# Altium PCB ISS_LAB_PCB.PcbDoc (part 8 of 8)
Units mm, origin at the board's own origin, x right, y up, seen from the top; angles counter-clockwise.
Board outline 247.67 x 135.97 mm, 2 copper layers (Top Layer, Bottom Layer); 165 components, 0 nets, 6045 pads, 3214 vias.
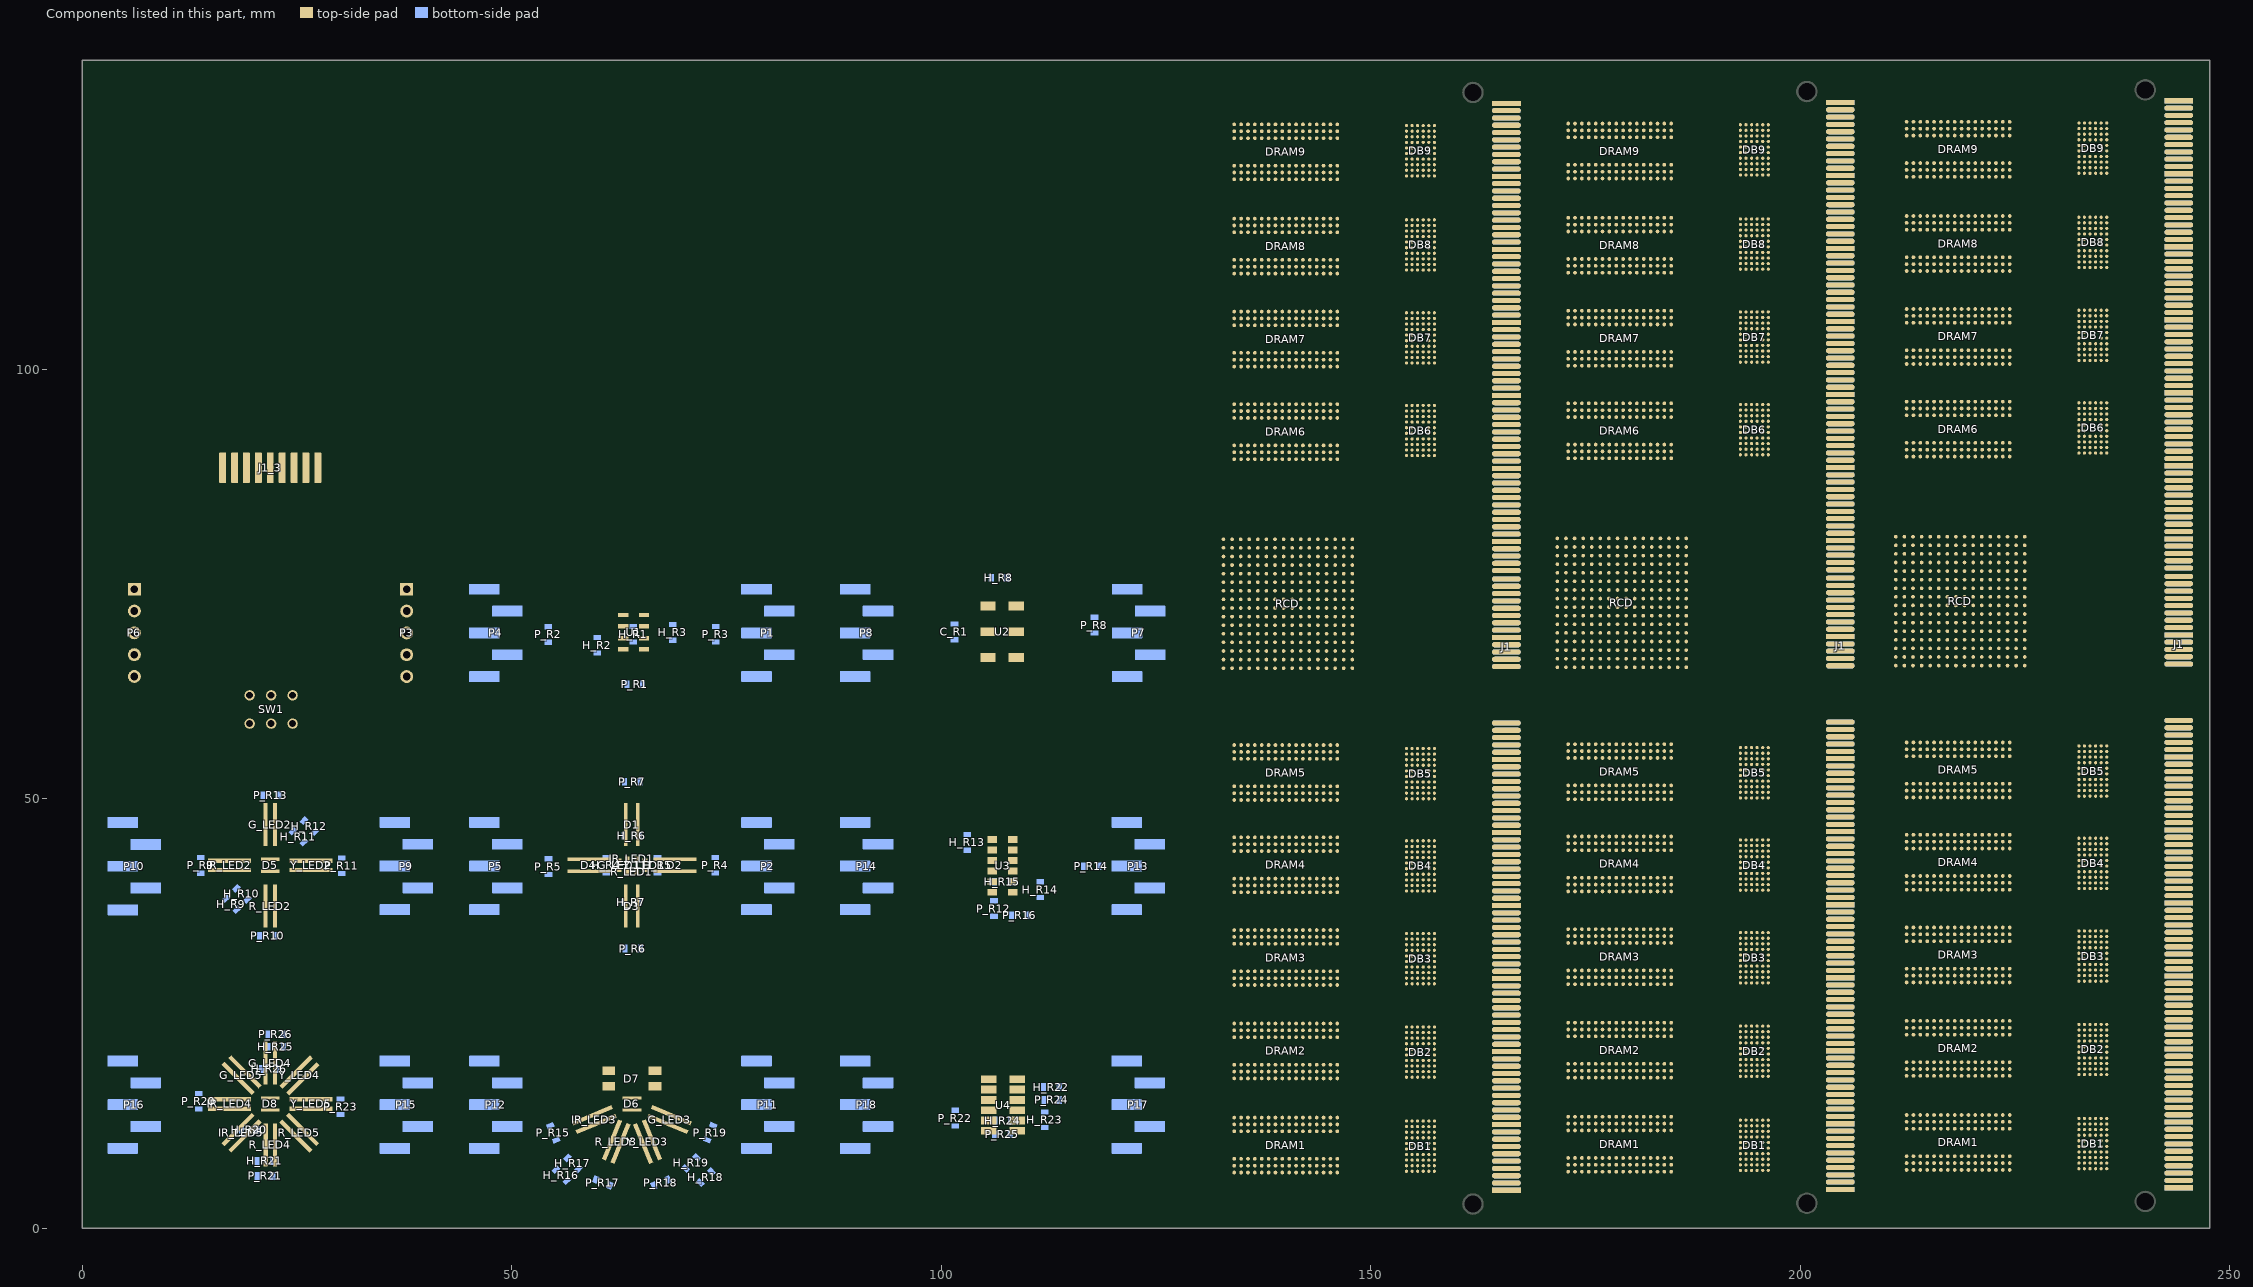
[diagram p8: the components of this part, seen from the top]

## Via types
v1: diameter 0.45, hole 0.203, Top Layer to Bottom Layer, 2685 vias
v2: diameter 1, hole 0.6, Top Layer to Bottom Layer, tented both sides, 414 vias
v3: diameter 0.6, hole 0.3, Top Layer to Bottom Layer, 52 vias
v4: diameter 0.6, hole 0.3, Top Layer to Bottom Layer, tented top, 33 vias
v5: diameter 0.8, hole 0.4, Top Layer to Bottom Layer, 21 vias
v6: diameter 3.5, hole 3.1, Top Layer to Bottom Layer, 3 vias
v7: diameter 2, hole 1.6, Top Layer to Bottom Layer, 3 vias
v8: diameter 1, hole 0.5, Top Layer to Bottom Layer, 3 vias

## Nets (pads, with @x,y where several pads share a name; then routed paths per layer and width w, separated by ;. In a path a pad name is that pad's centre, name@x,y a point inside that pad or via, vN(x,y) a via of type N, cw(c..) or ccw(c..) an arc to the next point about the centre after c; other vN are vias at no path point) (continued)
copper on no net: (continued)
  Bottom Layer w0.6: 4.725,9.29 5.725,9.29 6.06,9.625 6.06,11.495 6.395,11.83 7.395,11.83 ; 4.725,14.37 10.57,14.37 ; 4.725,37.05 7.14,37.05 7.895,37.805 7.895,39.255 7.56,39.59 7.395,39.59 ; 4.725,42.13 10.22,42.13 ; 5.725,9.39 6.725,9.39 7.06,9.725 7.06,11.595 7.395,11.93 8.395,11.93 ; 5.725,14.47 11.57,14.47 ; 5.725,37.15 8.14,37.15 8.895,37.905 8.895,39.355 8.56,39.69 8.395,39.69 ; 5.725,42.23 11.22,42.23 ; 13.55,15.664 11.864,15.664 10.57,14.37 ; 13.795,43.132 11.222,43.132 10.22,42.13 ; 14.55,15.764 12.864,15.764 11.57,14.47 ; 14.795,43.232 12.222,43.232 11.22,42.23 ; 20.373,6.075 16.3,6.075 10.57,11.805 10.57,14.37 ; 20.668,34.03 11.32,34.03 10.22,35.13 10.22,42.13 ; 21.373,6.175 17.3,6.175 11.57,11.905 11.57,14.47 ; 21.668,34.13 12.32,34.13 11.22,35.23 11.22,42.23 ; 22.177,7.825 22.177,6.337 22.289,6.225 22.289,6.075 ; 22.872,50.38 29.37,50.38 v3(32.4,47.35) ; 23.177,7.925 23.177,6.437 23.289,6.325 23.289,6.175 ; 23.452,22.575 30.3,22.575 33.175,19.7 v3(33.2,19.7) ; 23.872,50.48 30.37,50.48 33.4,47.45 ; 24.452,22.675 31.3,22.675 34.175,19.8 34.2,19.8 ; 30.075,13.211 32.136,13.211 v5(33.225,14.3) 33.295,14.37 36.395,14.37 ; 31.075,13.311 33.136,13.311 34.225,14.4 34.295,14.47 37.395,14.47 ; v3(32.425,41.3) 33.19,41.3 34.04,42.15 36.395,42.15 ; 33.425,41.4 34.19,41.4 35.04,42.25 37.395,42.25 ; 46.825,9.29 47.825,9.29 48.16,9.625 48.16,11.495 48.495,11.83 49.495,11.83 ; 46.825,37.07 47.825,37.07 48.16,37.405 48.16,39.275 48.495,39.61 49.495,39.61 ; 46.825,42.15 51.775,42.15 v5@52.625,43 ; 46.825,69.29 51.78,69.29 52.872,68.198 54.245,68.198 54.245,66.855 57.775,63.325 63.418,63.325 ; 47.825,9.39 48.825,9.39 49.16,9.725 49.16,11.595 49.495,11.93 50.495,11.93 ; 47.825,37.17 48.825,37.17 49.16,37.505 49.16,39.375 49.495,39.71 50.495,39.71 ; 47.825,42.25 52.775,42.25 53.625,43.1 ; 47.825,69.39 52.78,69.39 53.872,68.298 55.245,68.298 55.245,66.955 58.775,63.425 64.418,63.425 ; v5@52.675,43.002 54.275,43.002 ; 53.675,43.102 55.275,43.102 ; 59.945,68.752 59.945,70.325 61.245,71.625 69.945,71.625 71.645,69.925 71.645,68.925 72.334,68.236 73.745,68.236 ; 60.945,68.852 60.945,70.425 62.245,71.725 70.945,71.725 72.645,70.025 72.645,69.025 73.334,68.336 74.745,68.336 ; 64.927,51.95 71.65,51.95 75.275,48.325 v5(75.45,48.325) ; 65.002,32.55 65.277,32.275 v5(67.375,32.275) ; 65.927,52.05 72.65,52.05 76.275,48.425 76.45,48.425 ; 66.002,32.65 66.277,32.375 68.375,32.375 ; v3(73.575,40.45) 73.575,41.198 73.7,41.323 ; 73.745,70.052 74.918,70.052 75.618,69.352 78.433,69.352 78.495,69.29 ; 74.575,40.55 74.575,41.298 74.7,41.423 ; 74.745,70.152 75.918,70.152 76.618,69.452 79.433,69.452 79.495,69.39 ; v5(75.4,42.25) 78.395,42.25 78.495,42.15 ; 76.4,42.35 79.395,42.35 79.495,42.25 ; 89.975,9.29 90.975,9.29 91.31,9.625 91.31,11.495 91.645,11.83 92.645,11.83 ; 89.975,14.37 95.6,14.37 98.072,11.898 101.645,11.898 ; 89.975,37.07 90.975,37.07 91.31,37.405 91.31,39.275 91.645,39.61 92.645,39.61 ; 89.975,64.21 90.975,64.21 91.31,64.545 91.31,66.415 91.645,66.75 92.645,66.75 ; 90.975,9.39 91.975,9.39 92.31,9.725 92.31,11.595 92.645,11.93 93.645,11.93 ; 90.975,14.47 96.6,14.47 99.072,11.998 102.645,11.998 ; 90.975,37.17 91.975,37.17 92.31,37.505 92.31,39.375 92.645,39.71 93.645,39.71 ; 90.975,64.31 91.975,64.31 92.31,64.645 92.31,66.515 92.645,66.85 93.645,66.85 ; 103.045,43.998 103.145,43.998 103.145,43.225 104.245,42.125 116.556,42.125 ; 104.045,44.098 104.145,44.098 104.145,43.325 105.245,42.225 117.556,42.225 ; 113.772,14.925 116.945,14.925 117.5,14.37 121.61,14.37 ; 114.772,15.025 117.945,15.025 118.5,14.47 122.61,14.47 ; 117.845,69.298 117.995,69.298 118.003,69.29 121.61,69.29 ; 118.372,42.125 118.372,42.15 121.61,42.15 ; 118.845,69.398 118.995,69.398 119.003,69.39 122.61,69.39 ; 119.372,42.225 119.372,42.25 122.61,42.25
  Bottom Layer w0.8: 6.07,64.22 6.07,66.76 7.495,66.76 7.495,66.83 23.195,82.53 23.195,83.43 v8(23.295,83.53) ; 6.07,69.3 6.085,69.315 ; 7.07,64.32 7.07,66.86 8.495,66.86 8.495,66.93 24.195,82.63 24.195,83.53 24.295,83.63 ; 7.07,69.4 7.085,69.415 ; v8(20.495,76.73) 20.595,76.83 v8(26.395,76.83) ; 21.495,76.83 21.595,76.93 27.395,76.93 ; 46.825,64.21 49.061,64.21 49.53,64.679 49.53,66.715 49.495,66.75 ; 47.825,64.31 50.061,64.31 50.53,64.779 50.53,66.815 50.495,66.85
  other v1: 158.355,3.486 197.228,3.586 236.628,3.786 158.304,4.984 197.177,5.084 236.577,5.284 155.764,5.721 194.637,5.821 234.037,6.021 134.911,8.82 173.784,8.92 147.992,9.48 186.865,9.58 226.265,9.78 151.852,10.191 146.188,10.217 190.725,10.291 185.061,10.317 230.125,10.491 224.461,10.517 153.224,10.877 192.097,10.977 231.497,11.177 147.992,11.741 186.865,11.841 226.265,12.041 158.482,13.392 197.355,13.492 154.011,13.519 156.297,13.544 192.884,13.619 195.17,13.644 236.755,13.692 155.154,13.776 232.284,13.819 234.57,13.844 194.027,13.876 233.427,14.076 158.456,14.586 197.329,14.686 236.729,14.886 158.406,15.881 197.279,15.981 236.679,16.181 134.911,19.793 173.784,19.893 156.831,20.064 195.704,20.164 235.104,20.364 147.661,20.377 186.534,20.477 225.934,20.677 146.188,21.113 151.852,21.164 185.061,21.213 190.725,21.264 224.461,21.413 230.125,21.464 135.317,21.469 136.13,21.469 136.917,21.469 137.705,21.469 138.492,21.469 139.33,21.469 174.19,21.569 175.003,21.569 175.79,21.569 176.578,21.569 177.365,21.569 178.203,21.569 213.59,21.769 214.403,21.769 215.19,21.769 215.978,21.769 216.765,21.769 217.603,21.769 150.532,21.774 189.405,21.874 156.002,22.006 228.805,22.074 194.875,22.106 148.525,22.231 234.275,22.306 187.398,22.331 226.798,22.531 154.011,24.466 155.256,24.492 158.202,24.492 156.45,24.517 192.884,24.566 194.129,24.592 197.075,24.592 195.323,24.617 232.284,24.766 233.529,24.792 236.475,24.792 234.723,24.817 134.072,25.025 134.86,25.025 135.698,25.025 137.324,25.025 138.111,25.025 138.873,25.025 172.945,25.125 173.733,25.125 174.571,25.125 176.197,25.125 176.984,25.125 177.746,25.125 212.345,25.325 213.133,25.325 213.971,25.325 215.597,25.325 216.384,25.325 217.146,25.325 158.177,25.685 197.05,25.785 236.45,25.985 141.565,26.676 180.438,26.776 219.838,26.976 158.177,27.057 197.05,27.157 236.45,27.357 134.911,30.74 173.784,30.84 147.661,31.223 186.534,31.323 225.934,31.523 155.383,31.799 194.256,31.899 146.214,32.035 151.776,32.035 233.656,32.099 185.087,32.135 190.649,32.135 135.292,32.239 136.079,32.239 136.943,32.239 137.73,32.239 138.517,32.239 139.33,32.239 224.487,32.335 230.049,32.335 174.165,32.339 174.952,32.339 175.816,32.339 176.603,32.339 177.39,32.339 178.203,32.339 213.565,32.539 214.352,32.539 215.216,32.539 216.003,32.539 216.79,32.539 217.603,32.539 150.303,32.696 189.176,32.796 228.576,32.996 148.398,33.204 187.271,33.304 226.671,33.504 154.113,35.287 155.281,35.312 156.45,35.312 158.228,35.312 192.986,35.387 194.154,35.412 195.323,35.412 197.101,35.412 232.386,35.587 233.554,35.612 234.723,35.612 236.501,35.612 134.098,35.972 137.324,35.972 138.086,35.972 138.898,35.972 172.971,36.072 176.197,36.072 176.959,36.072 177.771,36.072 212.371,36.272 215.597,36.272 216.359,36.272 217.171,36.272 158.202,36.506 197.075,36.606 236.475,36.806 141.692,37.7 180.565,37.8 135.317,37.954 136.104,37.954 136.917,37.954 137.705,37.954 138.543,37.954 139.33,37.954 219.965,38 158.177,38.004 174.19,38.054 174.977,38.054 175.79,38.054 176.578,38.054 177.416,38.054 178.203,38.054 197.05,38.104 213.59,38.254 214.377,38.254 215.19,38.254 215.978,38.254 216.816,38.254 217.603,38.254 236.45,38.304 200.733,41.051 136.511,41.408 137.298,41.408 138.111,41.408 138.898,41.408 175.384,41.508 176.171,41.508 176.984,41.508 177.771,41.508 214.784,41.708 215.571,41.708 216.384,41.708 217.171,41.708 147.661,42.145 161.2,42.145 186.534,42.245 200.073,42.245 225.934,42.445 239.473,42.445 155.434,42.594 194.307,42.694 146.29,42.83 151.624,42.83 233.707,42.894 185.163,42.93 190.497,42.93 156.018,43.127 224.563,43.13 229.897,43.13 135.317,43.161 136.13,43.161 136.943,43.161 137.705,43.161 138.543,43.161 139.305,43.161 194.891,43.227 174.19,43.261 175.003,43.261 175.816,43.261 176.578,43.261 177.416,43.261 178.178,43.261 234.291,43.427 150.303,43.44 213.59,43.461 214.403,43.461 215.216,43.461 215.978,43.461 216.816,43.461 217.578,43.461 189.176,43.54 228.576,43.74 155.205,46.056 155.764,46.056 156.323,46.056 194.078,46.156 194.637,46.156 195.196,46.156 158.05,46.31 154.057,46.344 233.478,46.356 234.037,46.356 234.596,46.356 196.923,46.41 192.93,46.444 236.323,46.61 232.33,46.644 137.298,46.793 138.187,46.793 138.975,46.793 176.171,46.893 177.06,46.893 177.848,46.893 158.05,46.945 196.923,47.045 215.571,47.093 216.46,47.093 217.248,47.093 236.323,47.245 158.05,47.529 196.923,47.629 236.323,47.829 141.438,48.215 180.311,48.315 219.711,48.515 134.53,48.596 136.13,48.596 136.917,48.596 137.73,48.596 138.543,48.596 158.05,48.672 173.403,48.696 175.003,48.696 175.79,48.696 176.603,48.696 177.416,48.696 196.923,48.772 212.803,48.896 214.403,48.896 215.19,48.896 216.003,48.896 216.816,48.896 236.323,48.972 134.885,52.152 138.111,52.152 173.758,52.252 176.984,52.252 213.158,52.452 216.384,52.452 155.377,52.713 194.25,52.813 147.661,52.838 162.368,52.863 186.534,52.938 201.241,52.963 233.65,53.013 225.934,53.138 240.641,53.163 155.586,53.321 194.459,53.421 146.239,53.524 151.802,53.6 233.859,53.621 185.112,53.624 190.675,53.7 224.512,53.824 230.075,53.9 135.292,54.006 136.104,54.006 136.892,54.006 137.705,54.006 138.517,54.006 174.165,54.106 174.977,54.106 175.765,54.106 176.578,54.106 177.39,54.106 150.633,54.21 213.565,54.306 214.377,54.306 215.165,54.306 215.978,54.306 216.79,54.306 189.506,54.31 228.906,54.51 148.347,54.667 187.22,54.767 226.62,54.967 201.317,55.503 154.164,56.851 155.281,56.851 193.037,56.951 194.154,56.951 154.723,57.108 232.437,57.151 233.554,57.151 193.596,57.208 232.996,57.408 135.723,57.486 138.136,57.486 174.596,57.586 177.009,57.586 213.996,57.786 216.409,57.786 158.914,58.57 197.787,58.67 237.187,58.87 158.228,85.596 197.101,85.696 236.501,85.896 158.228,86.391 197.101,86.491 236.501,86.691 158.228,87.026 197.101,87.126 236.501,87.326 158.228,88.5 197.101,88.6 236.501,88.8 147.738,92.437 186.611,92.537 226.011,92.737 146.239,93.249 185.112,93.349 151.954,93.478 224.512,93.549 190.827,93.578 135.342,93.63 136.104,93.63 136.892,93.63 137.705,93.63 138.517,93.63 139.305,93.63 174.215,93.73 174.977,93.73 175.765,93.73 176.578,93.73 177.39,93.73 178.178,93.73 230.227,93.778 213.615,93.93 214.377,93.93 215.165,93.93 215.978,93.93 216.79,93.93 217.578,93.93 151.395,94.138 190.268,94.238 229.668,94.438 147.865,94.672 186.738,94.772 226.138,94.972 154.342,96.882 154.926,96.882 155.51,96.882 156.704,96.882 157.313,96.882 158.456,96.882 193.215,96.982 193.799,96.982 194.383,96.982 195.577,96.982 196.186,96.982 197.329,96.982 134.123,97.161 134.885,97.161 135.698,97.161 136.485,97.161 137.324,97.161 138.924,97.161 232.615,97.182 233.199,97.182 233.783,97.182 234.977,97.182 235.586,97.182 236.729,97.182 172.996,97.261 173.758,97.261 174.571,97.261 175.358,97.261 176.197,97.261 177.797,97.261 212.396,97.461 213.158,97.461 213.971,97.461 214.758,97.461 215.597,97.461 217.197,97.461 158.406,98.075 197.279,98.175 236.679,98.375 158.406,99.244 197.279,99.344 236.679,99.544 136.511,102.647 137.273,102.647 138.086,102.647 138.924,102.647 175.384,102.747 176.146,102.747 176.959,102.747 177.797,102.747 214.784,102.947 215.546,102.947 216.359,102.947 217.197,102.947 147.687,103.257 186.56,103.357 225.96,103.557 146.264,103.892 185.137,103.992 155.586,104.07 194.459,104.17 224.537,104.192 151.903,104.273 233.859,104.37 190.776,104.373 135.317,104.425 136.13,104.425 136.943,104.425 137.73,104.425 138.492,104.425 139.33,104.425 174.19,104.525 175.003,104.525 175.816,104.525 176.603,104.525 177.365,104.525 178.203,104.525 230.176,104.573 142.48,104.603 181.353,104.703 213.59,104.725 214.403,104.725 215.216,104.725 216.003,104.725 216.765,104.725 217.603,104.725 220.753,104.903 151.319,104.933 190.192,105.033 229.592,105.233 147.915,105.365 186.788,105.465 226.188,105.665 154.291,107.55 155.434,107.55 156.577,107.55 193.164,107.65 194.307,107.65 195.45,107.65 232.564,107.85 233.707,107.85 234.85,107.85 136.511,107.88 138.111,107.88 175.384,107.98 176.984,107.98 214.784,108.18 216.384,108.18 158.38,108.718 197.253,108.818 236.653,109.018 135.292,109.861 136.104,109.861 136.943,109.861 137.73,109.861 138.492,109.861 139.33,109.861 174.165,109.961 174.977,109.961 175.816,109.961 176.603,109.961 177.365,109.961 178.203,109.961 158.329,110.013 197.202,110.113 213.565,110.161 214.377,110.161 215.216,110.161 216.003,110.161 216.765,110.161 217.603,110.161 236.602,110.313 141.972,113.29 180.845,113.39 220.245,113.59 147.738,114.052 156.196,114.052 186.611,114.152 195.069,114.152 226.011,114.352 234.469,114.352 146.29,114.712 155.51,114.831 185.163,114.812 194.383,114.931 224.563,115.012 151.421,115.093 233.783,115.131 135.342,115.17 136.181,115.17 136.968,115.17 137.755,115.17 138.517,115.17 139.33,115.17 190.294,115.193 174.215,115.27 175.054,115.27 175.841,115.27 176.628,115.27 177.39,115.27 178.203,115.27 229.694,115.393 213.615,115.47 214.454,115.47 215.241,115.47 216.028,115.47 216.79,115.47 217.603,115.47 150.938,115.779 189.811,115.879 229.211,116.079 147.839,116.363 186.712,116.463 226.112,116.663 153.732,118.573 154.316,118.573 154.875,118.573 155.434,118.573 155.993,118.573 156.577,118.573 157.136,118.573 158.329,118.599 192.605,118.673 193.189,118.673 193.748,118.673 194.307,118.673 194.866,118.673 195.45,118.673 196.009,118.673 197.202,118.699 134.149,118.726 135.698,118.726 136.511,118.726 137.273,118.726 138.111,118.726 173.022,118.826 174.571,118.826 175.384,118.826 176.146,118.826 176.984,118.826 232.005,118.873 232.589,118.873 233.148,118.873 233.707,118.873 234.266,118.873 234.85,118.873 235.409,118.873 236.602,118.899 212.422,119.026 213.971,119.026 214.784,119.026 215.546,119.026 216.384,119.026 158.329,119.767 197.202,119.867 236.602,120.067 135.292,120.808 136.13,120.808 136.943,120.808 137.73,120.808 138.517,120.808 139.33,120.808 174.165,120.908 175.003,120.908 175.816,120.908 176.603,120.908 177.39,120.908 178.203,120.908 158.304,120.986 197.177,121.086 213.565,121.108 214.403,121.108 215.216,121.108 216.003,121.108 216.79,121.108 217.603,121.108 236.577,121.286 134.911,124.466 136.511,124.466 173.784,124.566 175.384,124.566 213.184,124.766 214.784,124.766 147.763,124.847 186.636,124.947 226.036,125.147 155.281,125.406 194.154,125.506 233.554,125.706 146.239,125.711 185.112,125.811 155.586,125.863 194.459,125.963 224.512,126.011 152.056,126.092 233.859,126.163 190.929,126.192 136.104,126.269 136.917,126.269 137.73,126.269 138.543,126.269 139.356,126.269 174.977,126.369 175.79,126.369 176.603,126.369 177.416,126.369 178.229,126.369 230.329,126.392 214.377,126.569 215.19,126.569 216.003,126.569 216.816,126.569 217.629,126.569 151.09,126.752 189.963,126.852 229.363,127.052 148.017,127.336 186.89,127.436 226.29,127.636 133.412,127.692 172.285,127.792 211.685,127.992 154.57,129.343 155.739,129.343 156.323,129.343 156.907,129.343 193.443,129.443 194.612,129.443 195.196,129.443 195.78,129.443 232.843,129.643 234.012,129.643 234.596,129.643 235.18,129.643 134.911,129.698 135.698,129.698 136.536,129.698 137.324,129.698 138.136,129.698 138.898,129.698 173.784,129.798 174.571,129.798 175.409,129.798 176.197,129.798 177.009,129.798 177.771,129.798 213.184,129.998 213.971,129.998 214.809,129.998 215.597,129.998 216.409,129.998 217.171,129.998
  other v2: 4.88,4.873 7.42,4.873 9.96,4.873 12.5,4.873 15.04,4.873 17.58,4.873 25.2,4.873 27.74,4.873 48.06,4.873 50.6,4.873 53.14,4.873 73.46,4.873 76,4.873 78.54,4.873 91.24,4.873 93.78,4.873 96.32,4.873 98.86,4.873 101.4,4.873 103.94,4.873 106.48,4.873 109.02,4.873 111.56,4.873 114.1,4.873 116.64,4.873 119.18,4.873 121.72,4.873 124.26,4.873 6.15,7.413 8.69,7.413 11.23,7.413 18.85,7.413 26.47,7.413 49.33,7.413 51.87,7.413 64.57,7.413 77.27,7.413 82.35,7.413 92.51,7.413 95.05,7.413 97.59,7.413 100.13,7.413 102.67,7.413 105.21,7.413 107.75,7.413 110.29,7.413 112.83,7.413 115.37,7.413 117.91,7.413 120.45,7.413 122.99,7.413 125.53,7.413 7.42,9.953 9.96,9.953 15.04,9.953 30.28,9.953 32.82,9.953 50.6,9.953 93.78,9.953 96.32,9.953 98.86,9.953 101.4,9.953 103.94,9.953 114.1,9.953 116.64,9.953 124.26,9.953 13.77,12.493 34.09,12.493 77.27,12.493 120.45,12.493 55.68,15.033 58.22,15.033 60.76,15.033 68.38,15.033 70.92,15.033 81.08,15.033 124.26,15.033 69.65,17.573 72.19,17.573 100.13,17.573 7.42,20.113 9.96,20.113 12.5,20.113 15.04,20.113 30.28,20.113 55.68,20.113 58.22,20.113 60.76,20.113 63.3,20.113 65.84,20.113 68.38,20.113 70.92,20.113 73.46,20.113 81.08,20.113 93.78,20.113 96.32,20.113 98.86,20.113 101.4,20.113 103.94,20.113 106.48,20.113 109.02,20.113 111.56,20.113 114.1,20.113 116.64,20.113 124.26,20.113 6.15,22.653 8.69,22.653 11.23,22.653 13.77,22.653 16.31,22.653 18.85,22.653 34.09,22.653 36.63,22.653 39.17,22.653 49.33,22.653 51.87,22.653 54.41,22.653 56.95,22.653 59.49,22.653 62.03,22.653 64.57,22.653 67.11,22.653 69.65,22.653 72.19,22.653 74.73,22.653 77.27,22.653 79.81,22.653 82.35,22.653 92.51,22.653 95.05,22.653 97.59,22.653 100.13,22.653 102.67,22.653 105.21,22.653 107.75,22.653 110.29,22.653 112.83,22.653 115.37,22.653 117.91,22.653 120.45,22.653 122.99,22.653 125.53,22.653 4.88,32.813 7.42,32.813 9.96,32.813 12.5,32.813 15.04,32.813 17.58,32.813 20.12,32.813 22.66,32.813 25.2,32.813 27.74,32.813 30.28,32.813 32.82,32.813 35.36,32.813 37.9,32.813 48.06,32.813 50.6,32.813 53.14,32.813 55.68,32.813 58.22,32.813 70.92,32.813 73.46,32.813 76,32.813 78.54,32.813 81.08,32.813 91.24,32.813 93.78,32.813 96.32,32.813 98.86,32.813 101.4,32.813 103.94,32.813 106.48,32.813 109.02,32.813 111.56,32.813 114.1,32.813 116.64,32.813 119.18,32.813 121.72,32.813 124.26,32.813 6.15,35.353 8.69,35.353 13.77,35.353 16.31,35.353 18.85,35.353 23.93,35.353 26.47,35.353 29.01,35.353 31.55,35.353 34.09,35.353 36.63,35.353 39.17,35.353 49.33,35.353 51.87,35.353 54.41,35.353 59.49,35.353 62.03,35.353 74.73,35.353 77.27,35.353 79.81,35.353 82.35,35.353 92.51,35.353 95.05,35.353 97.59,35.353 100.13,35.353 102.67,35.353 115.37,35.353 117.91,35.353 120.45,35.353 122.99,35.353 125.53,35.353 12.5,37.893 15.04,37.893 50.6,37.893 53.14,37.893 58.22,37.893 81.08,37.893 93.78,37.893 96.32,37.893 98.86,37.893 101.4,37.893 124.26,37.893 18.85,40.433 29.01,40.433 34.09,40.433 56.95,40.433 77.27,40.433 97.59,40.433 115.37,40.433 117.91,40.433 120.45,40.433 81.08,42.973 101.4,42.973 124.26,42.973 11.23,45.513 13.77,45.513 16.31,45.513 56.95,45.513 97.59,45.513 100.13,45.513 115.37,45.513 117.91,45.513 120.45,45.513 20.12,48.053 27.74,48.053 55.68,48.053 70.92,48.053 73.46,48.053 81.08,48.053 6.15,50.593 8.69,50.593 11.23,50.593 13.77,50.593 16.31,50.593 18.85,50.593 31.55,50.593 34.09,50.593 36.63,50.593 39.17,50.593 49.33,50.593 51.87,50.593 54.41,50.593 56.95,50.593 67.11,50.593 69.65,50.593 74.73,50.593 77.27,50.593 79.81,50.593 82.35,50.593 92.51,50.593 95.05,50.593 97.59,50.593 100.13,50.593 102.67,50.593 105.21,50.593 107.75,50.593 110.29,50.593 112.83,50.593 125.53,50.593 48.06,58.213 50.6,58.213 53.14,58.213 55.68,58.213 58.22,58.213 60.76,58.213 63.3,58.213 65.84,58.213 68.38,58.213 70.92,58.213 73.46,58.213 76,58.213 78.54,58.213 81.08,58.213 91.24,58.213 93.78,58.213 96.32,58.213 98.86,58.213 101.4,58.213 103.94,58.213 106.48,58.213 109.02,58.213 111.56,58.213 114.1,58.213 116.64,58.213 119.18,58.213 121.72,58.213 124.26,58.213 49.33,60.753 51.87,60.753 54.41,60.753 56.95,60.753 59.49,60.753 62.03,60.753 64.57,60.753 67.11,60.753 69.65,60.753 72.19,60.753 74.73,60.753 82.35,60.753 92.51,60.753 95.05,60.753 97.59,60.753 100.13,60.753 107.75,60.753 110.29,60.753 112.83,60.753 115.37,60.753 117.91,60.753 120.45,60.753 122.99,60.753 125.53,60.753 50.6,63.293 53.14,63.293 55.68,63.293 68.38,63.293 70.92,63.293 93.78,63.293 96.32,63.293 98.86,63.293 111.56,63.293 114.1,63.293 116.64,63.293 119.18,63.293 124.26,63.293 56.95,65.833 62.03,65.833 74.73,65.833 77.27,65.833 115.37,65.833 117.91,65.833 120.45,65.833 55.68,68.373 81.08,68.373 93.78,68.373 98.86,68.373 114.1,68.373 116.64,68.373 124.26,68.373 72.19,70.913 77.27,70.913 97.59,70.913 100.13,70.913 105.21,70.913 107.75,70.913 112.83,70.913 115.37,70.913 120.45,70.913 81.08,73.453 98.86,73.453 101.4,73.453 114.1,73.453 119.18,73.453 49.33,75.993 56.95,75.993 59.49,75.993 62.03,75.993 64.57,75.993 67.11,75.993 69.65,75.993 72.19,75.993 74.73,75.993 77.27,75.993 79.81,75.993 82.35,75.993 92.51,75.993 97.59,75.993 100.13,75.993 102.67,75.993 115.37,75.993 117.91,75.993 120.45,75.993 48.06,78.533 50.6,78.533 53.14,78.533 55.68,78.533 58.22,78.533 60.76,78.533 63.3,78.533 65.84,78.533 68.38,78.533 70.92,78.533 73.46,78.533 76,78.533 78.54,78.533 81.08,78.533 91.24,78.533 93.78,78.533 96.32,78.533 98.86,78.533 101.4,78.533 103.94,78.533 106.48,78.533 109.02,78.533 124.26,78.533
  other v3: 17.42,40.555
  other v4: 110.645,12.525
  other v6: 9.395,87.968 34.385,87.968 34.385,87.968
  other v7: 13.94,87.968 29.84,87.968 29.84,87.968

## Polygon pours and split planes (outlines as drawn)
no net on Bottom Layer "Bottom Layer-GND" (solid, pour order 16): 39.295,91.18 39.295,57.545 4.52,57.545 4.52,91.18
no net on Bottom Layer "Bottom Layer-GND_C" (solid, pour order 14): 44.67,29.905 44.67,54.605 83.445,54.605 83.445,29.905
no net on Bottom Layer "Bottom Layer-GND_H" (solid, pour order 12): 87.82,2.125 87.82,26.825 126.595,26.825 126.595,2.125
no net on Bottom Layer "Bottom Layer-GND_G" (solid, pour order 10): 87.82,29.905 87.82,54.605 126.595,54.605 126.595,29.905
no net on Bottom Layer "Bottom Layer-GND_F" (solid, pour order 8): 87.82,57.045 87.82,81.745 126.595,81.745 126.595,57.045
no net on Bottom Layer "Bottom Layer-GND_E" (solid, pour order 6): 44.67,57.045 44.67,81.745 83.445,81.745 83.445,57.045
no net on Bottom Layer "Bottom Layer-GND_B" (solid, pour order 4): 2.57,2.125 2.57,26.825 41.345,26.825 41.345,2.125
no net on Bottom Layer "Bottom Layer-GND_A" (solid, pour order 2): 2.57,29.905 2.57,54.605 41.345,54.605 41.345,29.905
no net on Bottom Layer "Bottom Layer-GND_D" (solid, pour order 0): 44.67,2.125 44.67,26.825 83.445,26.825 83.445,2.125
no net on Top Layer "Top Layer-GND" (solid, pour order 34): 39.295,91.18 39.295,57.545 4.52,57.545 4.52,91.18
no net on Top Layer "Top Layer-GND_B" (solid, pour order 32): 41.345,26.825 41.345,2.125 2.57,2.125 2.57,26.825
no net on Top Layer "Top Layer-GND_C" (solid, pour order 30): 83.445,54.605 83.445,29.905 44.67,29.905 44.67,54.605
no net on Top Layer "Top Layer-GND_E" (solid, pour order 28): 83.445,81.745 83.445,57.045 44.67,57.045 44.67,81.745
no net on Top Layer "Top Layer-GND_F" (solid, pour order 26): 126.595,81.745 126.595,57.045 87.82,57.045 87.82,81.745
no net on Top Layer "Top Layer-GND_G" (solid, pour order 24): 126.595,54.605 126.595,29.905 87.82,29.905 87.82,54.605
no net on Top Layer "Top Layer-GND_H" (solid, pour order 22): 126.595,26.825 126.595,2.125 87.82,2.125 87.82,26.825
no net on Top Layer "Top Layer-GND_A" (solid, pour order 20): 41.345,54.605 41.345,29.905 2.57,29.905 2.57,54.605
no net on Top Layer "Top Layer-GND_D" (solid, pour order 18): 83.445,26.825 83.445,2.125 44.67,2.125 44.67,26.825

## Keep-outs
Keep-Out Layer:
  region: 101.7,120.325 96.5,120.325 96.5,122.72 101.7,122.72
  region: 111.7,120.325 106.5,120.325 106.5,122.72 111.7,122.72
  region: 105.3,119.775 105.3,113.775 102.905,113.775 102.905,119.775
  region: 102.9,123.275 102.9,129.275 105.295,129.275 105.295,123.275
  region: 106,120.325 102.2,120.325 102.2,122.72 106,122.72
  region: 71.425,120.425 66.025,120.425 66.025,122.625 71.425,122.625
  region: 62.875,114.075 62.875,119.475 65.075,119.475 65.075,114.075
  region: 56.525,122.625 61.925,122.625 61.925,120.425 56.525,120.425
  region: 65.075,128.975 65.075,123.575 62.875,123.575 62.875,128.975
  region: 57.926,117.037 61.744,120.856 63.3,119.3 59.482,115.482
  region: 68.463,115.476 64.644,119.294 66.2,120.85 70.018,117.032
  region: 70.024,126.013 66.206,122.194 64.65,123.75 68.468,127.568
  region: 59.487,127.574 63.306,123.756 61.75,122.2 57.932,126.018
  region: 56.525,96.925 61.925,96.925 61.925,94.625 56.525,94.625
  region: 71.425,94.625 66.025,94.625 66.025,96.925 71.425,96.925
  region: 62.825,88.325 62.825,93.725 65.125,93.725 65.125,88.325
  region: 65.125,103.225 65.125,97.825 62.825,97.825 62.825,103.225
  region: 65.275,97.025 65.275,94.525 62.675,94.525 62.675,97.025
  region: 65.275,122.725 65.275,120.325 62.675,120.325 62.675,122.725
  region: 100.3,100.825 107.8,100.825 107.8,96.325 100.3,96.325
  region: 102.8,96.825 105.35,96.825 105.35,94.525 102.8,94.525
  region: 96.765,93.925 101.754,95.991 102.6,93.95 97.611,91.884
  region: 100.192,89.307 102.258,94.296 104.3,93.45 102.234,88.461
  region: 105.9,88.44 103.833,93.429 105.875,94.275 107.941,89.286
  region: 110.531,91.878 105.542,93.945 106.388,95.987 111.377,93.92
  lines w0.254: 169.2,1.688 169.2,2.475 169.2,132.738 ; 169.204,1.684 170.1,0.788 ; 169.212,132.738 169.212,133.525 ; 169.216,133.529 170.112,134.425 ; 170.1,0.8 189.3,0.8 189.3,2.6 192.3,2.6 192.3,0.8 195.9,0.8 195.9,2.6 198.9,2.6 198.9,0.8 206.9,0.8 ; 170.112,134.413 189.3,134.413 189.3,132.613 192.3,132.613 192.3,134.413 195.9,134.413 195.9,132.613 198.9,132.613 198.9,134.413 206.9,134.413 ; 208.6,1.888 208.6,2.675 208.6,132.938 ; 208.604,1.884 209.5,0.988 ; 208.612,132.938 208.612,133.725 ; 208.616,133.729 209.512,134.625 ; 209.5,1 228.7,1 228.7,2.8 231.7,2.8 231.7,1 235.3,1 235.3,2.8 238.3,2.8 238.3,1 246.3,1 ; 209.512,134.613 228.7,134.613 228.7,132.813 231.7,132.813 231.7,134.613 235.3,134.613 235.3,132.813 238.3,132.813 238.3,134.613 246.3,134.613 ; 130.327,2.375 130.327,1.588 130.327,2.375 ; 130.327,2.375 130.327,132.638 130.327,2.375 ; 150.427,0.7 150.427,2.5 ; 150.427,0.7 131.227,0.7 150.427,0.7 ; 150.427,0.7 150.427,2.5 ; 150.427,2.5 153.427,2.5 ; 150.427,2.5 153.427,2.5 ; 150.427,132.513 153.427,132.513 ; 150.427,132.513 150.427,134.313 ; 150.427,132.513 150.427,134.313 ; 150.427,132.513 153.427,132.513 ; 150.427,134.313 131.239,134.313 150.427,134.313 ; 153.427,0.7 157.027,0.7 ; 153.427,0.7 153.427,2.5 ; 153.427,0.7 153.427,2.5 ; 153.427,0.7 157.027,0.7 ; 153.427,132.513 153.427,134.313 ; 153.427,132.513 153.427,134.313 ; 153.427,134.313 157.027,134.313 ; 153.427,134.313 157.027,134.313 ; 157.027,0.7 157.027,2.5 ; 157.027,0.7 157.027,2.5 ; 157.027,2.5 160.027,2.5 ; 157.027,2.5 160.027,2.5 ; 157.027,132.513 157.027,134.313 ; 157.027,132.513 160.027,132.513 ; 157.027,132.513 160.027,132.513 ; 157.027,132.513 157.027,134.313 ; 160.027,0.7 160.027,2.5 ; 160.027,0.7 168.027,0.7 160.027,0.7 ; 160.027,0.7 160.027,2.5 ; 160.027,132.513 160.027,134.313 ; 160.027,132.513 160.027,134.313 ; 160.027,134.313 168.027,134.313 160.027,134.313 ; 130.331,1.584 131.227,0.688 130.331,1.584 ; 130.339,132.638 130.339,133.425 130.339,132.638 ; 130.343,133.429 131.239,134.325 130.343,133.429
  lines w0.3: 2.57,26.804 41.174,26.804 ; 40.087,135.955 175.212,135.955 ; 40.15,135.95 0.006,135.95 0.006,-0.013 118.858,-0.013 ; 41.174,54.584 2.57,54.605 ; 44.67,54.584 83.274,54.584 ; 44.67,81.724 83.274,81.724 ; 83.254,108.129 44.65,108.15 ; 83.254,133.879 44.65,133.9 ; 83.274,26.804 44.67,26.825 ; 118.853,-0.011 247.675,-0.011 247.656,135.955 175.19,135.955 ; 123.357,108.104 84.754,108.125 ; 123.379,133.879 84.775,133.9 ; 126.424,26.804 87.82,26.825 ; 126.424,54.584 87.82,54.605 ; 206.9,0.8 206.9,61.413 202.9,61.413 202.9,62.913 206.9,62.913 206.9,134.413 ; 246.3,1 246.3,61.613 242.3,61.613 242.3,63.113 246.3,63.113 246.3,134.613 ; 2.57,54.605 2.57,29.905 41.345,29.905 41.345,45.63 41.345,54.605 2.57,54.605 ; 44.65,108.15 83.425,108.15 ; 44.65,108.15 44.65,83.45 83.425,83.45 83.425,99.175 ; 44.65,133.9 44.65,109.2 83.425,109.2 ; 44.65,133.9 83.425,133.9 83.425,124.925 ; 44.67,26.825 44.67,2.125 83.445,2.125 83.445,17.85 83.445,26.825 44.67,26.825 ; 83.425,99.175 83.425,108.15 ; 83.425,99.175 83.425,108.15 ; 83.425,109.2 83.425,124.925 ; 83.425,109.2 83.425,124.925 ; 84.754,108.125 84.754,83.425 123.529,83.425 123.529,99.15 123.529,108.125 84.754,108.125 ; 84.775,133.9 84.775,109.2 123.55,109.2 123.55,124.925 123.55,133.9 84.775,133.9 ; 87.82,26.825 87.82,2.125 126.595,2.125 126.595,26.825 87.82,26.825 ; 87.82,54.605 126.595,54.605 126.595,29.905 87.82,29.905 87.82,54.605 ; 164.027,61.313 164.027,62.813 ; 164.027,61.313 168.027,61.313 ; 164.027,61.313 168.027,61.313 ; 164.027,61.313 164.027,62.813 ; 164.027,62.813 168.027,62.813 ; 164.027,62.813 168.027,62.813 ; 168.027,61.313 168.027,0.7 168.027,61.313 ; 168.027,62.813 168.027,134.313 168.027,62.813 ; 2.57,2.125 2.57,26.825 41.345,26.825 41.345,17.85 41.345,2.125 2.57,2.125 ; 4.52,57.545 4.52,91.18 39.295,91.18 39.295,57.545 4.52,57.545 ; 44.67,29.905 44.67,54.605 83.445,54.605 83.445,45.63 83.445,29.905 44.67,29.905 ; 44.67,57.045 44.67,81.745 83.445,81.745 83.445,72.77 83.445,57.045 44.67,57.045 ; 87.82,57.045 126.595,57.045 126.595,81.745 87.82,81.745 87.82,57.045

## Other copper
Bottom Layer:
  region: 14.25,8.925

## Silkscreen, mask and mechanical layers (free items; w line width, h text height)
Top Overlay:
  drawing of 5405 lines, arcs and shapes, not listed
  text "NUMBER PD C" at 85.459,131.674 h1.5
  text "NUMBER LED B" at 45.13,131.625 h1.5
  text "Byun Labs" at 69.45,131.5 h3
  text "Byun Labs" at 109.4,131.375 h3
  text "PPG sensor ver 1.0" at 108.009,109.849 h0.85
  text "PPG sensor ver 1.0" at 67.755,109.8 h0.85
  text "TYPE PD D" at 85.209,105.925 h1.5
  text "Byun Labs" at 69.275,105.825 h3
  text "DISTANCE LED A" at 45.73,105.77 h1.5
  text "Byun Labs" at 109.475,105.625 h3
  text "PPG sensor ver 1.0" at 68.15,84.05 h0.85
  text "PPG sensor ver 1.0" at 107.809,83.975 h0.85
  text "SFH 7050" at 45.425,79.575 h1.5
  text "SFH 7070" at 88.35,79.55 h1.5
  text "Byun Labs" at 112.525,79.2 h3
  text "Byun Labs" at 69.425,79.125 h3
  text "LED 1 TX P" at 27.775,74.125 h0.85
  text "DET_N" at 7.9,73.95 h0.85
  text "DET_P" at 7.9,71.45 h0.85
  text "LED 1 TX N" at 27.725,71.425 h0.85
  text "VCC LED" at 30.15,69.15 h0.85
  text "VCC LED" at 7.9,68.95 h0.85
  text "LED 0 TX P" at 27.925,66.625 h0.85
  text "GND" at 7.9,66.45 h0.85
  text "GND" at 7.9,63.95 h0.85
  text "LED 0 TX N" at 27.8,63.825 h0.85
  text "LED 1 TX" at 24.85,63.175 h0.85 r90
  text "LED 0 TX" at 19.775,62.975 h0.85 r90
  text "11.26.2021" at 5.175,58.165 h0.85
  text "SFH 7060" at 88.775,52.55 h1.5
  text "NUMBER PD C" at 45.375,52.4 h1.5
  text "DISTANCE LED A" at 3.65,52.225 h1.5
  text "Byun Labs" at 27.225,52.15 h3
  text "Byun Labs" at 112.425,52.1 h3
  text "Byun Labs" at 69.325,52.025 h3
  text "PPG sensor ver 1.0" at 67.925,30.575 h0.85
  text "11.26.2021" at 3.225,30.525 h0.85
  text "11.26.2021" at 45.325,30.525 h0.85
  text "PPG sensor ver 1.0" at 25.95,30.475 h0.85
  text "TYPE PD D" at 45.125,24.625 h1.5
  text "NUMBER LED B" at 3.05,24.55 h1.5
  text "SFH 7072" at 88.425,24.55 h1.5
  text "Byun Labs" at 27.2,24.325 h3
  text "Byun Labs" at 112.4,24.275 h3
  text "Byun Labs" at 69.3,24.2 h3
  text "12.20.2021" at 218.7,3.613 h1.6 r180
  text "11.15.2021" at 179.3,3.413 h1.6 r180
  text "10.12.2021" at 140.427,3.313 h1.6 r180
  text "11.26.2021" at 3.225,2.745 h0.85
  text "11.26.2021" at 45.325,2.745 h0.85
  text "PPG sensor ver 1.0" at 25.675,2.725 h0.85
  text "PPG sensor ver 1.0" at 67.725,2.675 h0.85